# Altium PCB e-puck3-coreboard.PcbDoc (part 5 of 7) (continued)
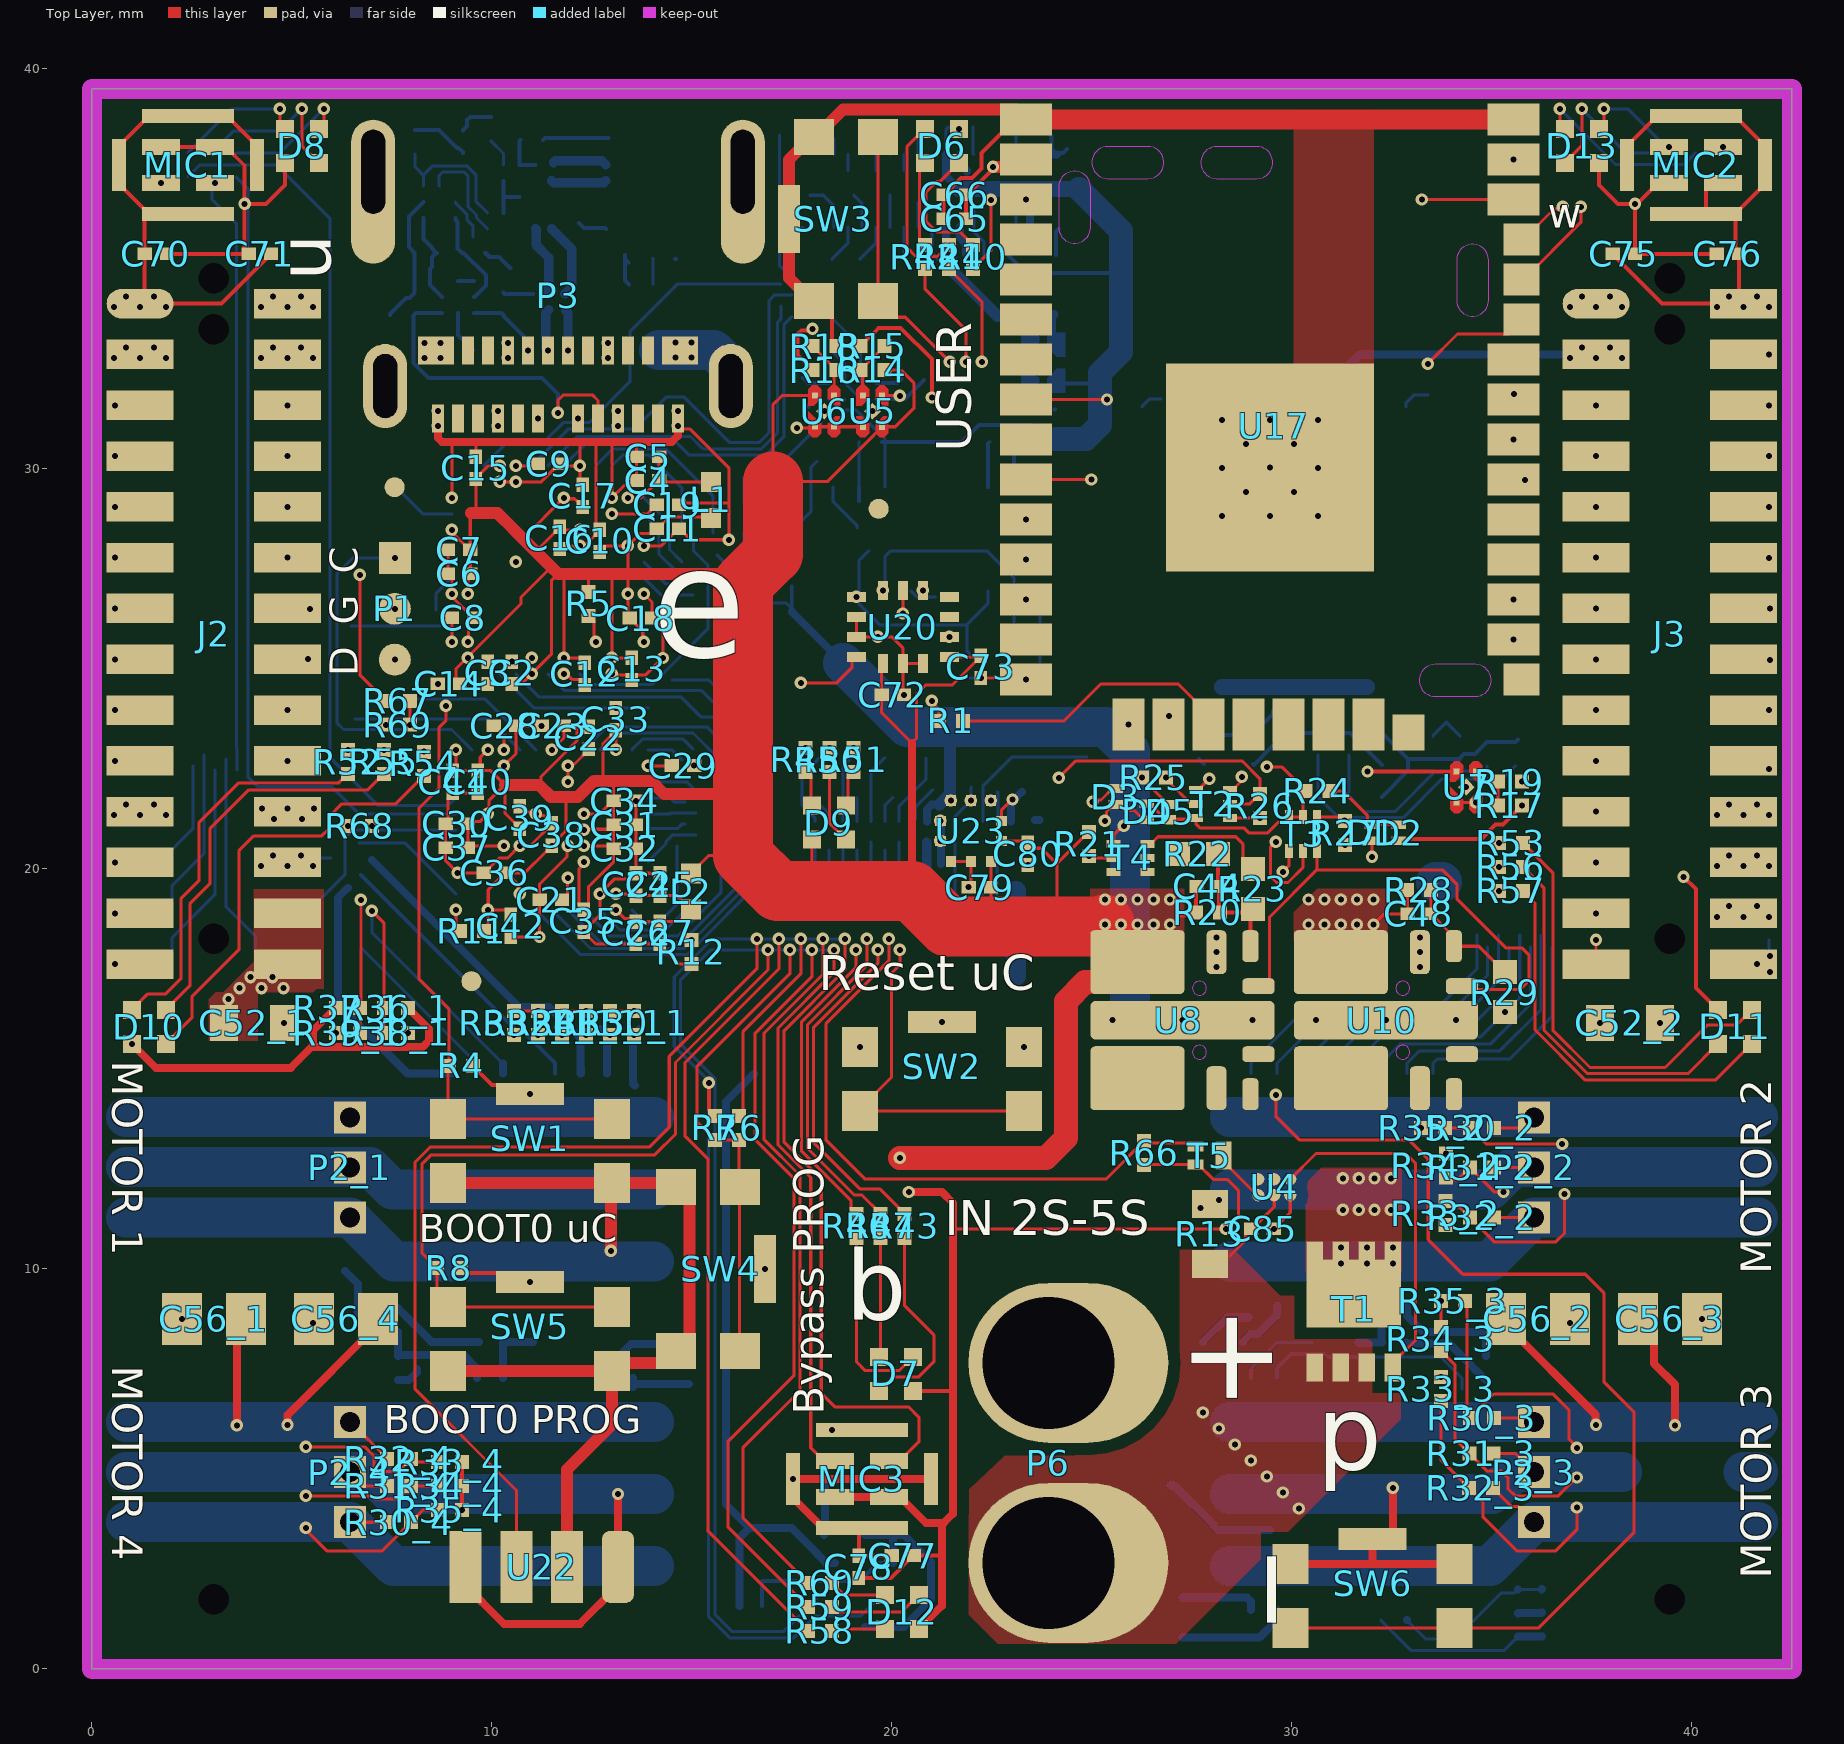
[diagram p0: Top Layer view]
## Nets (pads, with @x,y where several pads share a name; then routed paths per layer and width w, separated by ;. In a path a pad name is that pad's centre, name@x,y a point inside that pad or via, vN(x,y) a via of type N, cw(c..) or ccw(c..) an arc to the next point about the centre after c; other vN are vias at no path point) (continued)
Motor4.Phase3_1: J4.9 J4.10 P2_4.3 R32_4.1 U11_4.13 U11_4.22 | length 33.7
  Top Layer w0.077: P2_4.3@6.45,6.165 6.475,6.165 7.37,5.27 R32_4.1@7.37,5.22
  Bot Mid Layer 2 w1: 0.85,6.165 P2_4.3@6.45,6.165 v3(8.25,6.165) v3(9.85,6.165) v3(10.25,6.165) 10.45,6.165
  Bot Mid Layer 1 w1: 0.85,6.165 P2_4.3@6.45,6.165 v3(8.25,6.165) v3(9.85,6.165) v3(10.25,6.165) 10.45,6.165
  Bottom Layer w1: J4.9@0.85,6.165 P2_4.3@6.45,6.165 v3(8.25,6.165) v3(9.45,6.165) v3(9.85,6.165) v3(10.25,6.165) v3(10.646,6.165) U11_4.22@14.05,6.165
  other v1: 0.55,6.1 1.209,6.1 1.85,6.1 4.233,6.1 4.892,6.1 5.533,6.1 8.25,6.165 8.65,6.165 9.05,6.165 9.45,6.165 9.85,6.165 10.25,6.165 10.646,6.165 0.85,6.365 1.55,6.365 4.533,6.365 5.233,6.365
  other v2: 0.55,6.1 1.209,6.1 1.85,6.1 4.233,6.1 4.892,6.1 5.533,6.1 8.25,6.165 8.65,6.165 9.05,6.165 9.45,6.165 9.85,6.165 10.25,6.165 10.646,6.165 0.85,6.365 1.55,6.365 4.533,6.365 5.233,6.365
  other v3: 0.55,6.1 1.209,6.1 1.85,6.1 4.233,6.1 4.892,6.1 5.533,6.1 8.65,6.165 9.05,6.165 0.85,6.365 1.55,6.365 4.533,6.365 5.233,6.365
motor_ctrl_1./FAULT_1: U3.N6 U11_1.1 | length 35.1
  Bot Mid Layer 2 w0.077: v3(13.525,9.085) 13.545,9.105 13.545,15.62 14.092,16.167 20.253,16.167 20.861,16.776 23.568,16.776 25.475,18.683 v3(25.475,20.4)
  Bot Mid Layer 1 w0.077: v2(14.825,21.125) 15.582,21.125 17.654,23.197 22.053,23.197 24.85,20.4 v3(25.475,20.4)
  Bottom Layer w0.077: U3.N6@13.9,20.975 13.929,21.004 14.643,21.004 14.764,21.125 v2(14.825,21.125)
  other v1: 13.525,9.085 14.825,21.125
  other v2: 13.525,9.085
motor_ctrl_1.ENABLE_1: U3.M6 U11_1.2 | length 36.9
  Bot Mid Layer 2 w0.077: v3(12.875,9.085) 12.885,9.085 13.15,9.35 13.15,15.6 13.871,16.321 20.189,16.321 20.797,16.93 23.504,16.93 25.1,18.526 v3(25.1,21.25)
  Bot Mid Layer 1 w0.077: v2(13.5,20.975) 14.762,22.237 15.823,22.237 17.399,23.813 22.634,23.813 24.529,21.917 24.529,21.421 24.7,21.25 v3(25.1,21.25)
  Bottom Layer w0.077: U11_1.2@12.875,8.835 v3(12.875,9.085)
  other v1: 12.875,9.085 13.5,20.975
  other v2: 12.875,9.085
motor_ctrl_1.Phase1_1_N: U3.M5 U11_1.3 | length 36.7
  Bot Mid Layer 2 w0.077: v3(12.225,9.085) 12.225,9.108 12.775,9.658 12.775,15.625 13.625,16.475 20.125,16.475 20.734,17.084 23.441,17.084 24.833,18.476 24.833,21.558 v3(24.85,21.575)
  Bot Mid Layer 1 w0.077: v2(13.5,21.375) 13.526,21.375 14.608,22.457 15.825,22.457 17.335,23.967 22.697,23.967 24.821,21.843 24.821,21.604 v3(24.85,21.575)
  other v1: 12.225,9.085 13.5,21.375
  other v2: 12.225,9.085
motor_ctrl_1.Phase1_1_P: U3.N5 U11_1.6 | length 39.2
  Bot Mid Layer 2 w0.077: v3(10.275,9.085) 10.315,9.085 10.6,8.8 13.618,8.8 13.975,9.157 13.975,15.625 14.363,16.013 20.316,16.013 20.925,16.622 23.632,16.622 25.75,18.74 v3(25.75,20.675)
  Bot Mid Layer 1 w0.077: v2(15.1,21.4) 15.639,21.4 17.59,23.351 22.117,23.351 24.793,20.675 v3(25.75,20.675)
  Bottom Layer w0.077: U3.N5@13.9,21.375 14.45,21.375 14.475,21.4 v2(15.1,21.4)
  other v1: 10.275,9.085 15.1,21.4
  other v2: 10.275,9.085
motor_ctrl_1.Phase1_Csense_1: R37_1.2 R39_1.1 U3.J10 U11_1.15 | length 15.9
  Top Layer w0.077: R39_1.1@6.7,15.9 R37_1.2@6.7,16.525 6.725,16.55 v3(6.725,19.225)
  Bot Mid Layer 2 w0.077: v3(6.725,19.225) 6.732,19.218 6.732,18.839 7.397,18.175 11.543,18.175 11.975,18.607 11.975,19.05 v3(12.3,19.375)
  Bottom Layer w0.077: v3(6.725,19.225) 6.725,18.035 U11_1.15@9.625,15.135
  Bottom Layer w0.1: U11_1.15@9.625,14.885 U11_1.15@9.625,15.135
  other v1: 6.725,19.225 12.3,19.375
  other v2: 6.725,19.225 12.3,19.375
  other v4: 6.725,19.225
  other v5: 6.725,19.225
  other v6: 6.725,19.225
  other v7: 6.725,19.225
  other v8: 6.725,19.225
  other v9: 6.725,19.225
motor_ctrl_1.Phase1_Vsense_1: R30_1.2 R35_1.1 U3.F7 | length 5.7
  Top Layer w0.077: R35_1.1@12.95,16.45 v9(13.55,16.45)
  Top Mid Layer 1 w0.077: v7(12.3,19) 13.55,17.75 v9(13.55,16.45)
  Top Mid Layer 2 w0.077: v4(11.1,20.575) 11.575,20.1 11.575,19.725 v7(12.3,19)
  other v1: 11.1,20.575
  other v2: 11.1,20.575
  other v3: 11.1,20.575
  other v5: 11.1,20.575
  other v6: 11.1,20.575
  other v8: 13.55,16.45
motor_ctrl_1.Phase2_1_N: U3.J4 U11_1.4 | length 35.5
  Bot Mid Layer 2 w0.077: v3(11.575,9.085) 12.425,9.935 12.425,15.675 13.379,16.629 20.061,16.629 20.67,17.238 23.377,17.238 24.55,18.411 v4(24.55,20.875)
  Top Mid Layer 2 w0.077: v4(12.3,21.775) 12.568,22.042 16.683,22.042 17.325,21.4 24.025,21.4 v4(24.55,20.875)
  other v1: 11.575,9.085 12.3,21.775
  other v2: 11.575,9.085 12.3,21.775
  other v3: 12.3,21.775
  other v5: 24.55,20.875 12.3,21.775
  other v6: 24.55,20.875 12.3,21.775
motor_ctrl_1.Phase2_1_P: U3.K4 U11_1.7 | length 40.6
  Bot Mid Layer 2 w0.077: v3(9.625,9.085) 10.087,8.623 13.659,8.623 14.25,9.214 14.25,15.521 14.588,15.859 20.38,15.859 20.989,16.468 23.696,16.468 26.018,18.79 26.018,20.786 25.853,20.95 v4(25.475,20.95)
  Top Mid Layer 2 w0.077: v4(12.7,21.775) 12.743,21.818 16.532,21.818 17.225,21.125 23.875,21.125 24.475,20.525 25.05,20.525 v4(25.475,20.95)
  other v1: 9.625,9.085 12.7,21.775
  other v2: 9.625,9.085 12.7,21.775
  other v3: 12.7,21.775
  other v5: 25.475,20.95 12.7,21.775
  other v6: 25.475,20.95 12.7,21.775
motor_ctrl_1.Phase2_Csense_1: R36_1.2 R38_1.1 U3.J9 U11_1.16 | length 15.1
  Top Layer w0.077: v3(7,18.95) 7.3,18.65 R36_1.2@7.3,16.525 R38_1.1@7.3,15.9
  Bot Mid Layer 2 w0.077: v3(7,18.95) 7.589,18.361 11.511,18.361 11.725,18.575 11.725,19.2 v3(12.3,19.775)
  Bottom Layer w0.077: v3(7,18.95) 7,18.41 9.756,15.654 U11_1.16@10.275,15.135
  Bottom Layer w0.2: U11_1.16@10.275,14.885 U11_1.16@10.275,15.135
  other v1: 7,18.95 12.3,19.775
  other v2: 7,18.95 12.3,19.775
  other v4: 7,18.95
  other v5: 7,18.95
  other v6: 7,18.95
  other v7: 7,18.95
  other v8: 7,18.95
  other v9: 7,18.95
motor_ctrl_1.Phase2_Vsense_1: R31_1.2 R34_1.1 U3.F9 | length 4.6
  Top Layer w0.077: R34_1.1@11.75,16.45 v9(12.35,16.45)
  Top Mid Layer 1 w0.077: v7(12.025,18.35) 12.35,18.025 v9(12.35,16.45)
  Bot Mid Layer 2 w0.077: v3(11.1,19.775) 11.4,19.475 v4(11.4,18.65)
  Top Mid Layer 2 w0.077: v4(11.4,18.65) 11.725,18.65 v7(12.025,18.35)
  other v1: 11.1,19.775
  other v2: 11.1,19.775
  other v5: 11.4,18.65
  other v6: 11.4,18.65
  other v8: 12.35,16.45
motor_ctrl_1.Phase3_1_N: U3.L4 U11_1.5 | length 36.1
  Bot Mid Layer 2 w0.077: v3(10.925,9.085) 12.05,10.21 12.05,15.684 13.149,16.783 19.997,16.783 20.606,17.392 23.313,17.392 24.282,18.361 24.282,21.362 24.475,21.555 v4(24.475,22.35)
  Bot Mid Layer 3 w0.077: v3(13.1,21.775) 13.328,22.003 16.728,22.003 17.075,22.35 v4(24.475,22.35)
  other v1: 10.925,9.085 13.1,21.775
  other v2: 10.925,9.085 13.1,21.775
  other v4: 13.1,21.775
motor_ctrl_1.Phase3_1_P: U3.N4 U11_1.8 | length 37.2
  Bot Mid Layer 2 w0.077: v3(8.975,9.085) 9.34,9.45 10.825,9.45 11.675,10.3 11.675,15.667 12.945,16.937 19.934,16.937 20.542,17.546 23.249,17.546 24.108,18.405 24.108,19.308 24.1,19.316 v3(24.1,21.75)
  Bot Mid Layer 1 w0.077: v2(14.825,21.675) 15.697,21.675 17.526,23.505 22.345,23.505 v3(24.1,21.75)
  Bottom Layer w0.077: U3.N4@13.9,21.775 14.458,21.775 14.557,21.675 v2(14.825,21.675)
  other v1: 8.975,9.085 14.825,21.675
  other v2: 8.975,9.085
motor_ctrl_1.Phase3_Vsense_1: R32_1.2 R33_1.1 U3.F8 | length 4.3
  Top Layer w0.077: R33_1.1@10.55,16.45 v9(11.15,16.45)
  Top Mid Layer 1 w0.077: v7(11.1,19.775) 11.102,19.773 11.102,16.498 v9(11.15,16.45)
  Top Mid Layer 2 w0.077: v7(11.1,19.775) v4(11.1,20.175)
  other v1: 11.1,20.175
  other v2: 11.1,20.175
  other v3: 11.1,20.175
  other v5: 11.1,20.175
  other v6: 11.1,20.175
  other v8: 11.15,16.45
motor_ctrl_2./FAULT_1: U3.K5 U11_2.1 | length 33.8
  Bot Mid Layer 2 w0.077: v4(29.772,22.125) 29.772,19.475 30.193,19.054 33.921,19.054 34.625,18.35 v3(34.627,18.35)
  Bot Mid Layer 3 w0.077: v4(12.7,21.375) 12.968,21.107 13.211,21.107 13.591,21.488 18.041,21.488 18.466,21.912 25.633,21.912 26.014,22.293 26.3,22.293 26.868,21.725 29.043,21.725 29.048,21.73 29.376,21.73 v4(29.772,22.125)
  Bottom Layer w0.077: U11_2.1@28.975,14.885 28.975,15.135 30.265,16.425 33.55,16.425 34.627,17.502 v3(34.627,18.35)
  other v1: 34.627,18.35 12.7,21.375
  other v2: 34.627,18.35 12.7,21.375
  other v3: 12.7,21.375
motor_ctrl_2.ENABLE_1: U3.F10 U11_2.2 | length 33.9
  Bot Mid Layer 2 w0.077: v3(29.325,20.35) 29.325,19.311 29.736,18.9 33.45,18.9 34.3,18.05 v3(34.895,18.05)
  Bot Mid Layer 1 w0.077: v2(11.1,19.375) 11.922,18.553 16.128,18.553 17.55,19.975 23.45,19.975 23.875,19.55 28.525,19.55 v3(29.325,20.35)
  Bottom Layer w0.077: U11_2.2@29.625,14.885 29.625,15.135 30.761,16.271 33.821,16.271 34.895,17.345 v3(34.895,18.05)
  other v1: 34.895,18.05 11.1,19.375
  other v2: 34.895,18.05
motor_ctrl_2.Phase1_1_N: U3.B7 U11_2.3 | length 39.4
  Bot Mid Layer 2 w0.077: v3(30.325,19.825) 30.325,19.6 30.717,19.208 34.305,19.208 v3(35.163,18.35)
  Bot Mid Layer 1 w0.077: v2(9.5,20.575) 9.479,20.596 8.854,20.596 8.374,20.117 8.374,18.674 9.419,17.629 16.568,17.629 17.797,18.858 20.142,18.858 20.896,18.104 28.604,18.104 v3(30.325,19.825)
  Bottom Layer w0.077: U11_2.3@30.275,14.885 30.275,15.135 31.257,16.117 34.092,16.117 35.163,17.187 v3(35.163,18.35)
  other v1: 35.163,18.35 9.5,20.575
  other v2: 35.163,18.35
motor_ctrl_2.Phase1_1_P: U3.C2 U11_2.6 | length 45
  Bot Mid Layer 2 w0.077: v3(31.25,19.9) 34.95,19.9 35.965,18.885 v3(35.965,18.05)
  Bot Mid Layer 1 w0.077: v2(9.9,22.575) 9.637,22.838 9.637,23.155 9.399,23.393 8.927,23.393 8.371,22.836 8.371,22.282 7.45,21.361 7.45,18.292 9.037,16.705 17.38,16.705 17.92,17.245 19.184,17.245 19.295,17.357 28.453,17.357 30.996,19.9 v3(31.25,19.9)
  Bottom Layer w0.077: U11_2.6@32.225,14.885 32.225,15.135 32.715,15.625 34.975,15.625 35.965,16.615 v3(35.965,18.05)
  other v1: 35.965,18.05 9.9,22.575
  other v2: 35.965,18.05
motor_ctrl_2.Phase1_Csense_1: R37_2.2 R39_2.1 U3.M10 U11_2.15 | length 28.1
  Top Mid Layer 1 w0.077: v7(23.075,18.3) 23.075,17.825 23.25,17.65 24.514,17.65 30.4,11.764 30.4,10.95 31.8,9.55 32.41,9.55 v3(32.875,9.085)
  Bot Mid Layer 2 w0.077: v3(13.5,19.375) 13.878,19.375 15.854,17.399 19.742,17.399 20.388,18.045 21.92,18.045 22.193,18.318 v4@23.075,18.318
  Bottom Layer w0.2: v3(32.875,9.085) 32.875,8.835 33.295,8.415 R37_2.2@34.85,8.415 R39_2.1@34.85,7.815
  other v1: 32.875,9.085 13.5,19.375
  other v2: 32.875,9.085 13.5,19.375
  other v4: 32.875,9.085 23.075,18.3
  other v5: 32.875,9.085 23.075,18.3
  other v6: 32.875,9.085 23.075,18.3
  other v7: 32.875,9.085
motor_ctrl_2.Phase1_Vsense_1: R30_2.2 R35_2.1 U3.G8 | length 34.1
  Top Layer w0.077: R35_2.1@33.825,13.525 R30_2.2@34.45,13.525 34.455,13.525 34.86,13.12 v9(36.76,13.12)
  Top Mid Layer 1 w0.077: v7(23.175,18.875) 23.525,18.525 24.25,18.525 29.125,13.65 34.8,13.65 35.33,13.12 v9(36.76,13.12)
  Bot Mid Layer 2 w0.077: v4(15.975,19.975) 15.975,20.353 16.197,20.575 16.725,20.575 17.649,19.651 22.399,19.651 v7(23.175,18.875)
  Bot Mid Layer 3 w0.077: v4(11.5,20.175) 11.482,20.157 11.482,19.439 12.672,18.249 14.574,18.249 15.975,19.65 v4(15.975,19.975)
  other v1: 11.5,20.175
  other v2: 11.5,20.175
  other v3: 11.5,20.175
  other v4: 23.175,18.875
  other v5: 23.175,18.875
  other v6: 23.175,18.875
  other v8: 36.76,13.12
motor_ctrl_2.Phase2_1_N: U3.N3 U11_2.4 | length 32.7
  Bot Mid Layer 2 w0.077: v3(30.3,21.15) 30.65,20.8 30.65,19.725 30.975,19.4 34.6,19.4 35.43,18.57 v3(35.43,18.05)
  Bot Mid Layer 1 w0.077: v2(15.1,21.95) 15.754,21.95 17.462,23.659 22.57,23.659 24.375,21.853 24.375,21.357 24.75,20.983 27.84,20.983 28.125,21.268 30.182,21.268 v3(30.3,21.15)
  Bottom Layer w0.077: U3.N3@13.9,22.175 14.875,22.175 v2(15.1,21.95) ; U11_2.4@30.925,14.885 30.925,15.135 31.753,15.963 34.388,15.963 35.43,17.005 v3(35.43,18.05)
  other v1: 35.43,18.05 15.1,21.95
  other v2: 35.43,18.05
motor_ctrl_2.Phase2_1_P: U3.M3 U11_2.7 | length 33.3
  Bot Mid Layer 2 w0.077: v4(28.275,22.175) 28.543,22.443 30.008,22.443 30.225,22.225 31.05,22.225 31.682,21.593 31.682,20.818 32.375,20.125 35.175,20.125 36.233,19.067 v3(36.233,18.35)
  Bot Mid Layer 1 w0.077: v2(13.5,22.175) 13.891,22.175 14.321,22.605 14.321,22.896 v4(15.275,23.85)
  Bot Mid Layer 3 w0.077: v4(15.275,23.85) 16.951,23.85 17.28,24.18 18.188,24.18 18.589,23.778 21.175,23.778 21.18,23.784 25.766,23.784 26.25,23.3 27.15,23.3 v4(28.275,22.175)
  Bottom Layer w0.077: U11_2.7@32.875,14.885 32.875,15.135 33.19,15.45 35.2,15.45 36.233,16.482 v3(36.233,18.35)
  other v1: 36.233,18.35 13.5,22.175
  other v2: 36.233,18.35
  other v3: 15.275,23.85
motor_ctrl_2.Phase2_Csense_1: R36_2.2 R38_2.1 U3.M9 U11_2.16 | length 27.1
  Top Mid Layer 1 w0.077: v7(22.8,18.6) 22.8,17.525 23,17.325 24.55,17.325 30.075,11.8 30.075,10.3 31.303,9.073 v3(32.237,9.073)
  Bot Mid Layer 2 w0.077: v3(13.5,19.775) 14.114,19.775 16.336,17.553 19.678,17.553 20.324,18.199 21.599,18.199 21.932,18.532 22.732,18.532 v7(22.8,18.6)
  Bottom Layer w0.2: R36_2.2@31.65,8.157 R38_2.1@32.25,8.157 32.237,8.17 v3(32.237,9.073) U11_2.16@32.225,9.085
  other v1: 32.237,9.073 13.5,19.775
  other v2: 32.237,9.073 13.5,19.775
  other v4: 32.237,9.073 22.8,18.6
  other v5: 32.237,9.073 22.8,18.6
  other v6: 32.237,9.073 22.8,18.6
  other v7: 32.237,9.073
motor_ctrl_2.Phase2_Vsense_1: R31_2.2 R34_2.1 U3.G9 | length 29.8
  Top Layer w0.077: R34_2.1@33.775,12.225 34.14,12.225 R31_2.2@34.45,12.535 35.06,11.925 35.065,11.92 v9(35.29,11.92)
  Top Mid Layer 1 w0.077: v7(23.375,18.05) 24.425,18.05 30.555,11.92 v9(35.29,11.92)
  Bot Mid Layer 2 w0.077: v3(12.3,18.975) 14.184,17.091 19.87,17.091 20.478,17.7 23.025,17.7 v7(23.375,18.05)
  Bot Mid Layer 1 w0.077: v2@11.5,19.753 v2(11.5,19.775) v3(12.3,18.975)
  other v1: 11.5,19.775
  other v4: 23.375,18.05
  other v5: 23.375,18.05
  other v6: 23.375,18.05
  other v8: 35.29,11.92
motor_ctrl_2.Phase3_1_N: U3.C8 U11_2.5 | length 37.9
  Bot Mid Layer 2 w0.077: v4(30.875,21.9) 30.875,19.897 31.139,19.632 34.793,19.632 35.698,18.727 v3(35.698,18.35)
  Bot Mid Layer 3 w0.077: v3(9.9,20.175) 10.436,19.638 10.809,19.638 12.506,17.941 15.045,17.941 16.771,19.668 16.875,19.668 18.657,21.45 26.592,21.45 26.714,21.571 29.107,21.571 29.112,21.576 30.551,21.576 v4(30.875,21.9)
  Bottom Layer w0.077: U11_2.5@31.575,14.885 31.575,15.135 32.24,15.8 34.725,15.8 35.698,16.772 v3(35.698,18.35)
  other v1: 35.698,18.35 9.9,20.175
  other v2: 35.698,18.35 9.9,20.175
  other v4: 9.9,20.175
motor_ctrl_2.Phase3_1_P: U3.C7 U11_2.8 | length 38.1
  Bot Mid Layer 2 w0.077: v4(31.95,21.643) 31.957,21.643 33.15,20.45 35.325,20.45 36.5,19.275 v3(36.5,18.05)
  Bot Mid Layer 3 w0.077: v3(9.9,20.575) 9.633,20.307 9.633,19.418 9.788,19.262 9.985,19.262 10.528,18.72 10.952,18.72 11.884,17.787 15.212,17.787 18.721,21.296 26.721,21.296 26.842,21.417 29.171,21.417 29.175,21.422 31.729,21.422 v4(31.95,21.643)
  Bottom Layer w0.077: U11_2.8@33.525,14.885 33.525,15.135 33.636,15.246 35.447,15.246 36.5,16.3 v3(36.5,18.05)
  other v1: 36.5,18.05 9.9,20.575
  other v2: 36.5,18.05 9.9,20.575
  other v4: 9.9,20.575
motor_ctrl_2.Phase3_Vsense_1: R32_2.2 R33_2.1 U3.H8 | length 38.3
  Top Layer w0.077: R33_2.1@33.842,11.692 33.967,11.567 34.168,11.567 R32_2.2@34.45,11.285 35.06,10.675 36.6,10.675 36.82,10.895 v9(36.82,11.87)
  Top Mid Layer 1 w0.077: v4(23.841,19) 24.07,19 29.07,14 35.075,14 35.7,14.625 36.725,14.625 37.175,14.175 37.175,12.225 v9(36.82,11.87)
  Bot Mid Layer 2 w0.077: v4(15.7,20.25) 15.7,20.516 15.984,20.8 16.841,20.8 17.837,19.805 23.036,19.805 v4(23.841,19)
  Bot Mid Layer 3 w0.077: v4(11.9,20.175) 11.636,19.911 11.636,19.666 12.899,18.403 14.359,18.403 15.7,19.745 v4(15.7,20.25)
  other v1: 11.9,20.175
  other v2: 11.9,20.175
  other v3: 11.9,20.175
  other v5: 23.841,19
  other v6: 23.841,19
  other v7: 23.841,19
  other v8: 36.82,11.87
motor_ctrl_3./FAULT_1: U3.J1 U11_3.1 | length 38.4
  Bot Mid Layer 2 w0.077: v3(27.65,21.675) 27.692,21.633 27.692,20.296 27.6,20.203 27.6,17.775 29.321,16.054 29.321,7.429 30.1,6.65 v3(31.25,6.65)
  Bot Mid Layer 1 w0.077: v2(15.775,23.15) 16.9,24.275 23,24.275 25.6,21.675 v3(27.65,21.675) ; v2(30.5,8.157) 31.25,7.407 v3(31.25,6.65)
  Bottom Layer w0.077: U3.J1@12.3,22.975 12.876,23.55 15.375,23.55 v2(15.775,23.15) ; U11_3.1@28.975,7.265 28.975,7.5 29.632,8.157 v2(30.5,8.157)
  other v1: 30.5,8.157 15.775,23.15
motor_ctrl_3.ENABLE_1: U3.B6 U11_3.2 | length 45.7
  Bot Mid Layer 2 w0.077: v3(28.043,17.778) 29.525,16.296 29.525,7.637 30.164,6.998 v3@34.25,6.998
  Bot Mid Layer 1 w0.077: v2(9.5,20.975) 9.014,20.975 8.22,20.181 8.22,18.611 9.356,17.475 16.632,17.475 17.861,18.704 19.571,18.704 20.497,17.778 v3(28.043,17.778)
  Bottom Layer w0.077: U11_3.2@29.625,7.515 29.985,7.875 30.802,7.875 30.881,7.796 33.723,7.796 34.25,7.27 v3(34.25,7)
  Bottom Layer w0.1: U11_3.2@29.625,7.265 U11_3.2@29.625,7.515
  other v1: 34.25,7 9.5,20.975
  other v2: 34.25,7
motor_ctrl_3.Phase1_1_N: U3.E3 U11_3.3 | length 35
  Bot Mid Layer 2 w0.077: v4(27.875,22.175) 27.918,22.132 27.918,20.594 28.168,20.344 28.168,18.319 29.725,16.762 29.725,7.815 v3(30.275,7.265)
  Bot Mid Layer 3 w0.077: v3(10.7,22.175) 10.946,22.421 10.946,23.011 11.517,23.583 16.901,23.583 17.344,24.026 18.124,24.026 18.526,23.624 21.238,23.624 21.243,23.63 25.425,23.63 25.99,23.064 26.986,23.064 v4(27.875,22.175)
  other v1: 30.275,7.265 10.7,22.175
  other v2: 30.275,7.265 10.7,22.175
  other v4: 10.7,22.175
motor_ctrl_3.Phase1_1_P: U3.N8 U11_3.6 | length 33
  Bot Mid Layer 2 w0.077: v3(28.375,21) 28.375,20.572 28.476,20.471 28.476,19.024 30.275,17.225 30.275,8.475 30.825,7.925 31.565,7.925 v3(32.225,7.265)
  Bot Mid Layer 1 w0.077: v2(15.1,20.85) 15.525,20.85 17.718,23.043 20.176,23.043 20.856,22.363 22.662,22.363 24.893,20.132 27.507,20.132 v3(28.375,21)
  Bottom Layer w0.077: U3.N8@13.9,20.175 14.357,20.632 14.357,20.686 14.522,20.85 v2(15.1,20.85)
  other v1: 32.225,7.265 15.1,20.85
  other v2: 32.225,7.265
motor_ctrl_3.Phase1_Csense_1: R37_3.2 R39_3.1 U3.N10 U11_3.15 | length 38.3
  Top Mid Layer 1 w0.077: v7(21.5,18.809) 21.5,16.05 22.25,15.3 25.225,15.3 28.875,11.65 28.875,6.179 31.079,3.975 v4(31.385,3.975)
  Bot Mid Layer 2 w0.077: v3(14.25,20.075) 15.725,18.6 19.65,18.6 19.897,18.353 21.053,18.353 21.5,18.8 v7(21.5,18.809) ; v4(31.385,3.975) 31.088,3.975 30.909,3.796 30.909,2.341 31.75,1.5 v3(32.875,1.5)
  Bot Mid Layer 1 w0.077: v2(13.9,19.375) 13.918,19.393 14.168,19.393 14.25,19.475 v3(14.25,20.075)
  Bottom Layer w0.077: U11_3.15@32.875,1.215 33.34,0.75 34.092,0.75 35.242,1.9 35.565,1.9 R37_3.2@35.575,1.91 ; R37_3.2@35.653,1.987 R39_3.1@36.247,1.987
  Bottom Layer w0.2: R37_3.2@35.65,1.985 R37_3.2@35.653,1.987 ; R39_3.1@36.247,1.987 R39_3.1@36.25,1.99
  other v1: 32.875,1.5 13.9,19.375
  other v2: 32.875,1.5
  other v4: 21.5,18.809
  other v5: 31.385,3.975 21.5,18.809
  other v6: 31.385,3.975 21.5,18.809
  other v7: 31.385,3.975
motor_ctrl_3.Phase1_Vsense_1: R30_3.2 R35_3.1 U3.G10 | length 44.2
  Top Layer w0.077: R35_3.1@34.325,9.2 34.375,9.15 34.375,6.35 R30_3.2@34.45,6.275 35.05,6.875 36.525,6.875 36.925,6.475 36.925,5.752 37.125,5.552 v9(37.125,5.525)
  Top Mid Layer 1 w0.077: v7(22.525,18.05) 22.525,17.225 22.825,16.925 24.675,16.925 29.775,11.825 29.775,6.15 30.1,5.825 31.8,5.825 32.9,6.925 36.375,6.925 37.125,6.175 v9(37.125,5.525)
  Bot Mid Layer 2 w0.077: v3(12.7,18.975) 13.1,18.575 13.716,18.575 15.046,17.245 19.806,17.245 20.452,17.891 22.366,17.891 v7(22.525,18.05)
  Bot Mid Layer 1 w0.077: v2(11.5,19.375) 12.167,18.707 12.432,18.707 v3(12.7,18.975)
  other v1: 11.5,19.375
  other v4: 22.525,18.05
  other v5: 22.525,18.05
  other v6: 22.525,18.05
  other v8: 37.125,5.525
motor_ctrl_3.Phase2_1_N: U3.B8 U11_3.4 | length 35.9
  Bot Mid Layer 2 w0.077: v3(28.472,18.393) 29.9,16.965 29.9,8.05 30.685,7.265 v3(30.925,7.265)
  Bot Mid Layer 1 w0.077: v2(9.5,20.175) 9.232,20.442 8.917,20.442 8.528,20.053 8.528,18.738 9.483,17.783 16.505,17.783 17.733,19.012 20.638,19.012 21.257,18.393 v3(28.472,18.393)
  other v1: 30.925,7.265 9.5,20.175
  other v2: 30.925,7.265
motor_ctrl_3.Phase2_1_P: U3.H6 U11_3.7 | length 36.3
  Bot Mid Layer 2 w0.077: v4(28.65,20.675) 28.65,19.1 30.45,17.3 30.45,8.682 30.932,8.2 31.94,8.2 v3(32.875,7.265)
  Top GND Plane w0.077: v7(11.9,20.975) 11.456,20.975 11.236,20.755 11.236,20.066 11.827,19.475 12.1,19.475 13.893,21.268 v8(13.893,21.282)
  Top Mid Layer 2 w0.077: v8(13.893,21.282) 16.3,21.282 16.786,20.796 22.829,20.796 23.525,20.1 27.225,20.1 27.8,20.675 v4(28.65,20.675)
  other v1: 32.875,7.265 11.9,20.975
  other v2: 32.875,7.265 11.9,20.975
  other v3: 11.9,20.975
  other v4: 11.9,20.975
  other v5: 28.65,20.675 11.9,20.975
  other v6: 28.65,20.675 11.9,20.975
  other v7: 13.893,21.282
  other v8: 11.9,20.975
motor_ctrl_3.Phase2_Csense_1: R36_3.2 R38_3.1 U3.N9 U11_3.16 | length 38.7
  Top Mid Layer 1 w0.077: v4(21.775,19.075) 21.775,16.3 22.375,15.7 25.075,15.7 29.1,11.675 29.1,6.172 30.747,4.525 v4(31.2,4.525)
  Bot Mid Layer 2 w0.077: v3(13.9,20.373) 14.33,20.373 15.44,19.263 15.937,19.263 16.375,18.825 19.91,18.825 20.227,18.507 20.636,18.507 21.204,19.076 v4(21.775,19.075) v4(21.775,19.075) ; v4(31.2,4.525) 30.669,3.994 30.669,2.356 31.81,1.215 v3(32.225,1.215)
  Bot Mid Layer 1 w0.077: v2(13.9,19.775) v3(13.9,20.373)
  Bottom Layer w0.077: v3(32.225,1.215) 32.987,0.453 35.298,0.453 35.434,0.588 R38_3.1@35.65,0.805
  Bottom Layer w0.2: R38_3.1@35.65,0.805 R36_3.2@36.25,0.805
  other v1: 32.225,1.215 13.9,19.775
  other v2: 32.225,1.215
  other v5: 31.2,4.525 21.775,19.075
  other v6: 31.2,4.525 21.775,19.075
  other v7: 31.2,4.525 21.775,19.075
motor_ctrl_3.Phase2_Vsense_1: R31_3.2 R34_3.1 U3.H11 | length 44.4
  Top Layer w0.077: R34_3.1@33.725,7.95 34.075,7.6 34.075,5.75 R31_3.2@34.312,5.513 ; R31_3.2@34.313,5.262 R31_3.2@34.438,5.388 34.876,4.95 35.23,4.95 35.4,4.78 35.4,4.51 35.585,4.325 36.664,4.325 v9(37.125,4.786)
  Top Layer w0.1: R31_3.2@34.313,5.513 R31_3.2@34.438,5.388
  Top Mid Layer 1 w0.077: v7(22.325,19.075) 22.325,18.228 22.257,18.161 22.257,16.943 22.725,16.475 24.85,16.475 29.55,11.775 29.55,6.157 30.082,5.625 36.286,5.625 v9(37.125,4.786)
  Bot Mid Layer 2 w0.077: v3(16.275,20.275) 16.653,20.275 17.432,19.497 21.95,19.497 22.325,19.121 v7(22.325,19.075)
  Bottom Layer w0.077: U3.H11@11.9,18.975 12.712,18.163 14.751,18.163 16.275,19.687 v3(16.275,20.275)
  other v1: 16.275,20.275
  other v2: 16.275,20.275
  other v4: 22.325,19.075
  other v5: 22.325,19.075
  other v6: 22.325,19.075
  other v8: 37.125,4.786
motor_ctrl_3.Phase3_1_N: U3.K1 U11_3.5 | length 34.1
  Bot Mid Layer 2 w0.077: v3(28.25,21.7) 28.25,21.253 28.108,21.111 28.108,20.621 28.322,20.407 28.322,18.922 30.075,17.168 30.075,8.325 30.775,7.625 31.215,7.625 v3(31.575,7.265)
  Bot Mid Layer 1 w0.077: v2(15.7,22.725) 15.728,22.725 17.124,24.121 22.901,24.121 25.721,21.3 27.808,21.3 28.208,21.7 v3(28.25,21.7)
  Bottom Layer w0.077: U3.K1@12.7,22.975 13.122,23.396 15.029,23.396 v2(15.7,22.725)
  other v1: 31.575,7.265 15.7,22.725
  other v2: 31.575,7.265
motor_ctrl_3.Phase3_1_P: U3.J2 U11_3.8 | length 35.6
  Bot Mid Layer 2 w0.077: v4(28.675,22.175) 28.932,21.917 28.932,19.068 30.657,17.343 30.657,8.893 30.975,8.575 32.215,8.575 v3(33.525,7.265)
  Top Mid Layer 2 w0.077: v3(12.3,22.575) 13.243,23.518 14.168,23.518 v6(14.575,23.925)
  Bot Mid Layer 3 w0.077: v6(14.575,23.925) 14.984,24.334 18.266,24.334 18.668,23.932 21.111,23.932 21.116,23.938 26.009,23.938 26.446,23.5 27.35,23.5 v4(28.675,22.175)
  other v1: 33.525,7.265 12.3,22.575
  other v2: 33.525,7.265 12.3,22.575
  other v4: 12.3,22.575
  other v5: 12.3,22.575 14.575,23.925
  other v6: 12.3,22.575
motor_ctrl_3.Phase3_Vsense_1: R32_3.2 R33_3.1 U3.G11 | length 45.2
  Top Layer w0.077: R33_3.1@33.725,6.7 33.725,5.225 R32_3.2@34.425,4.525 34.775,4.175 34.775,3.8 35.625,2.95 36.6,2.95 37.125,3.475 v9(37.125,4.036) ; R32_3.2@34.425,4.55 R32_3.2@34.45,4.525
  Top Mid Layer 1 w0.077: v4(22.043,18.8) 22.05,18.792 22.05,16.6 22.55,16.1 24.95,16.1 29.325,11.725 29.325,6.164 30.564,4.925 34.4,4.925 35.075,4.25 36.911,4.25 v9(37.125,4.036)
  Bot Mid Layer 2 w0.077: v3(16.55,20) 17.207,19.343 21.886,19.343 22.043,19.186 v4(22.043,18.8)
  Bottom Layer w0.077: U3.G11@11.5,18.975 12.466,18.009 14.815,18.009 16.539,19.733 16.539,19.989 v3(16.55,20)
  other v1: 16.55,20
  other v2: 16.55,20
  other v5: 22.043,18.8
  other v6: 22.043,18.8
  other v7: 22.043,18.8
  other v8: 37.125,4.036
motor_ctrl_4./FAULT_1: U3.G3 U11_4.1 | length 48.1
  Bot Mid Layer 2 w0.077: v3(13.525,1.25) 13.525,5.525 15.091,7.091 15.091,14.448 15.732,15.089 20.699,15.089 21.308,15.698 24.015,15.698 26.979,18.662 26.979,21.804 27.075,21.9 v4(27.075,22.175)
  Bot Mid Layer 3 w0.077: v3(11.5,22.175) 11.5,22.548 12.227,23.275 17.035,23.275 17.478,23.718 17.982,23.718 18.384,23.316 21.366,23.316 21.371,23.322 24.811,23.322 25.433,22.7 26.55,22.7 v4(27.075,22.175)
  other v1: 13.525,1.25 11.5,22.175
  other v2: 13.525,1.25 11.5,22.175
  other v4: 11.5,22.175
motor_ctrl_4.ENABLE_1: U3.D8 U11_4.2 | length 49.4
  Bot Mid Layer 2 w0.077: v3(12.875,1.25) 13.125,1.5 13.125,5.6 14.937,7.412 14.937,14.667 15.513,15.243 20.635,15.243 21.244,15.852 23.951,15.852 26.716,18.617 26.716,21.459 v4(26.425,21.75)
  Bot Mid Layer 3 w0.077: v4(10.3,20.175) 10.682,19.793 10.873,19.793 12.57,18.095 14.82,18.095 16.582,19.857 16.846,19.857 18.593,21.604 26.218,21.604 26.364,21.75 v4(26.425,21.75)
  other v1: 12.875,1.25 10.3,20.175
  other v2: 12.875,1.25 10.3,20.175
  other v3: 10.3,20.175
motor_ctrl_4.Phase1_1_N: U3.L8 U11_4.3 | length 45.2
  Bot Mid Layer 2 w0.077: v3(12.225,1.25) 12.75,1.775 12.75,5.7 14.783,7.733 14.783,14.883 15.297,15.397 20.572,15.397 21.18,16.006 23.887,16.006 26.562,18.681 26.562,21.188 26.05,21.7 v4(26.05,21.925)
  Bot Mid Layer 3 w0.077: v3(13.1,20.175) 14.19,21.265 18.036,21.265 18.53,21.758 25.839,21.758 26.006,21.925 v4(26.05,21.925)
  other v1: 12.225,1.25 13.1,20.175
  other v2: 12.225,1.25 13.1,20.175
  other v4: 13.1,20.175
motor_ctrl_4.Phase1_1_P: U3.F2 U11_4.6 | length 57.3
  Bot Mid Layer 2 w0.077: v3(10.275,1.25) 10.554,0.971 13.641,0.971 13.825,1.155 13.825,5.325 15.245,6.745 15.245,14.272 15.909,14.935 20.763,14.935 21.371,15.544 24.269,15.544 v3(25.8,17.075)
  Bot Mid Layer 1 w0.077: v2(11.1,22.575) 10.128,23.547 8.863,23.547 8.125,22.808 8.125,22.253 7.296,21.425 7.296,18.228 8.973,16.551 17.444,16.551 17.984,17.091 19.248,17.091 19.359,17.203 25.372,17.203 25.5,17.075 v3(25.8,17.075)
  other v1: 10.275,1.25 11.1,22.575
  other v2: 10.275,1.25